# KiCad board [DFR1142]Lite Carrier for LattePanda Mu(V2).kicad_pcb
title: Lite Carrier for LattePanda Mu; date: 2025-07-25; rev: V2.0.0; company: DFRobot; note: HDJ; note: DFR1142; note: 1.6; note: 4; note: 146x102; note: Top_Layer
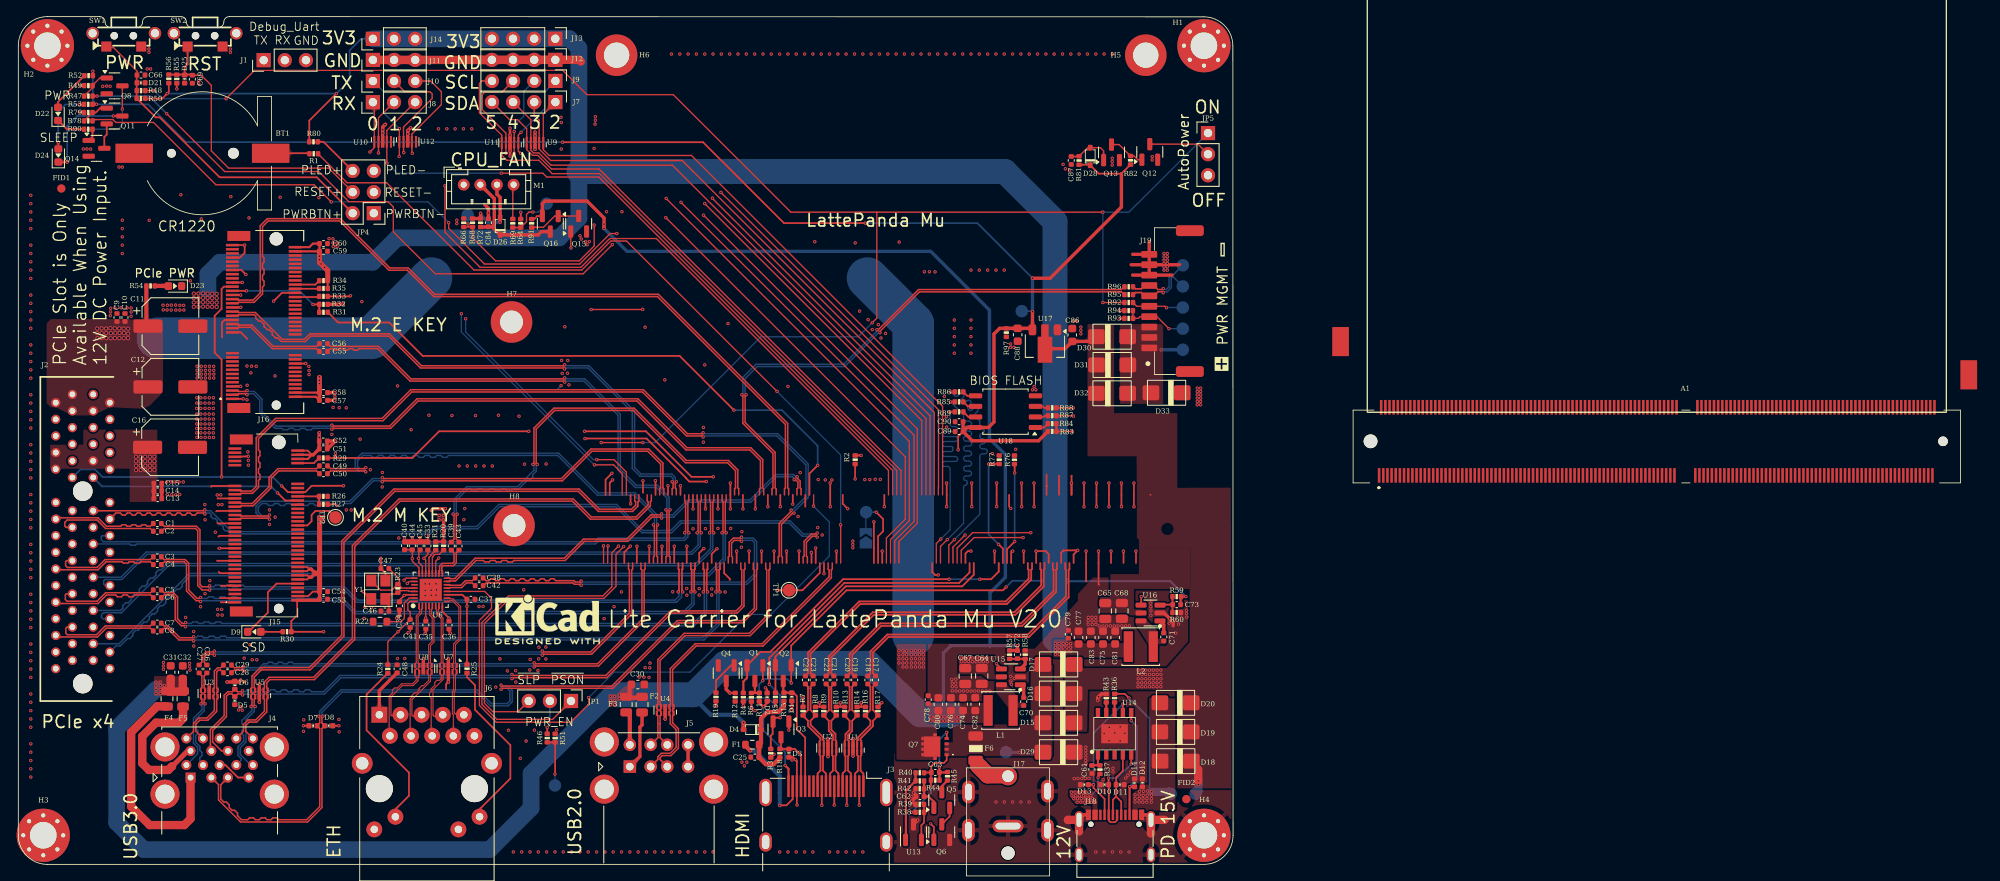
[diagram p0: board, top side]
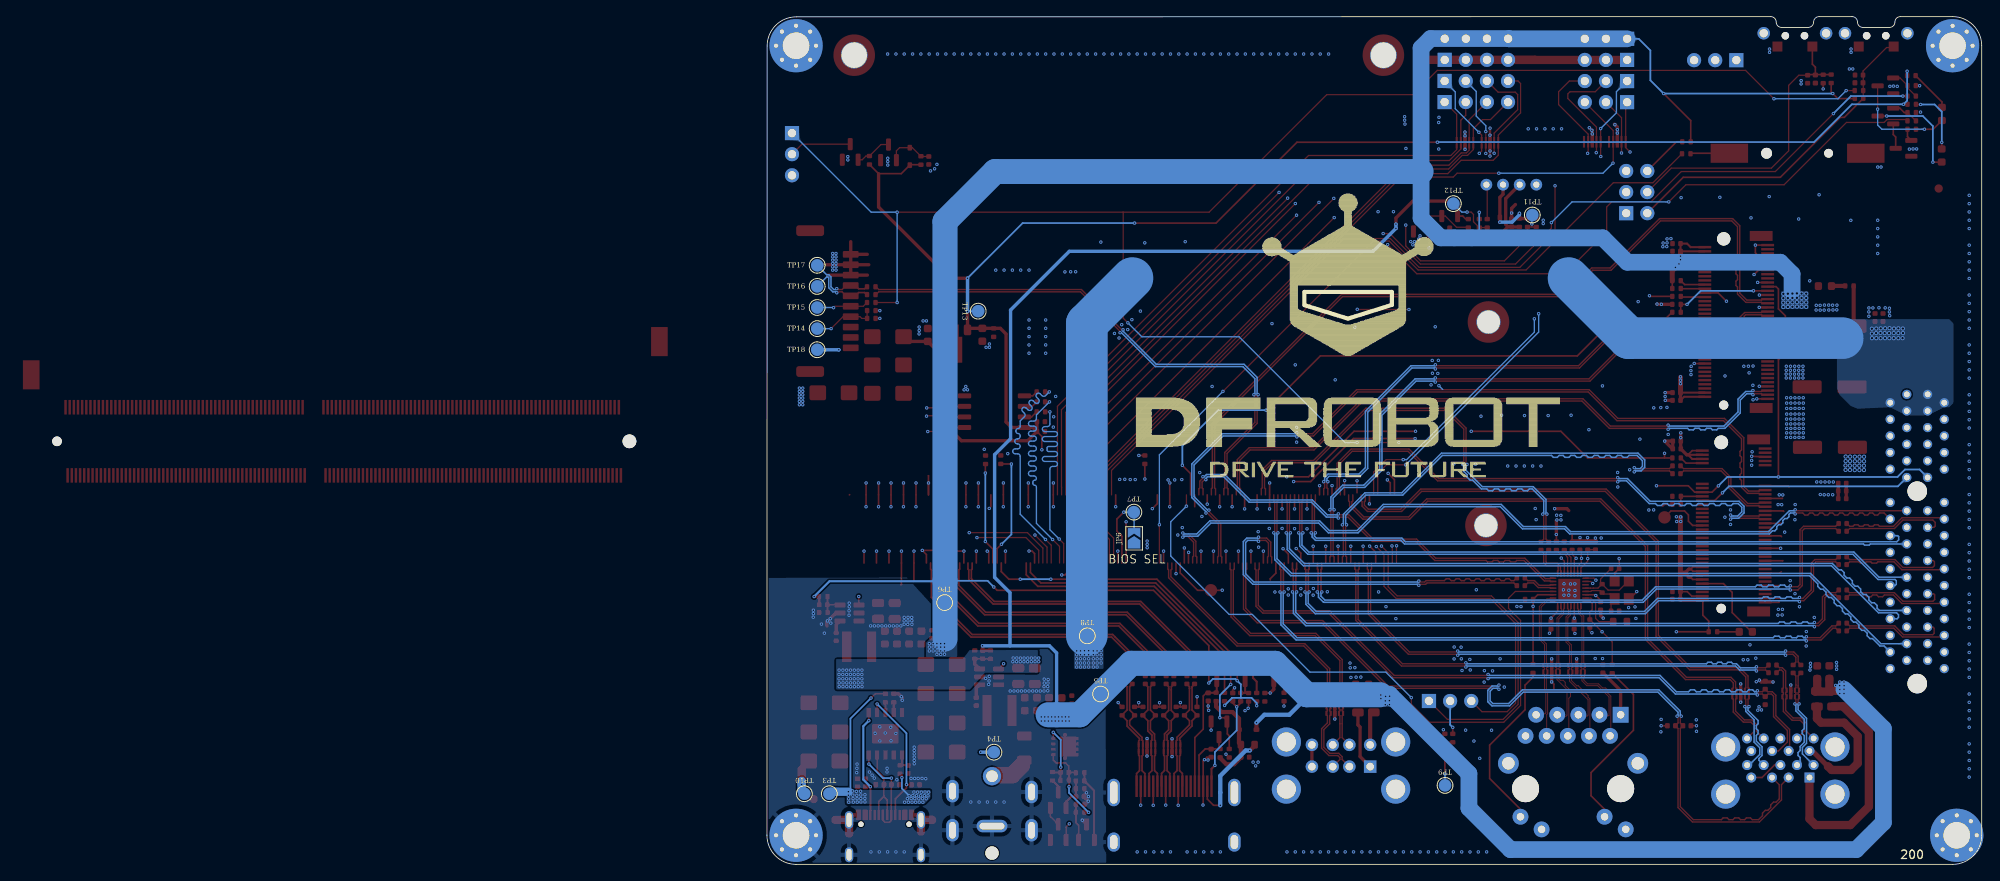
[diagram p1: board, bottom side, seen from below]

Outline 146 x 102 mm; copper layers: Top, In1.GND (plane), In2.PWR (plane), Bottom. Coordinates in mm from the lower left corner of the outline.
Outline path: 15.58,102 arc(15.12,101.81) 14.93,101.35 arc(14.74,100.89) 14.28,100.7 11.08,100.7 arc(10.62,100.89) 10.43,101.35 arc(10.24,101.81) 9.78,102 3.5,102 arc(1.03,100.97) 0,98.5 0,3.5 arc(1.03,1.03) 3.5,0 142.5,0 arc(144.97,1.03) 146,3.5 145.97,98.47 arc(144.95,100.95) 142.47,101.97 25.34,102 ; 15.59,102 19.55,102 arc(20.01,101.81) 20.2,101.35 arc(20.39,100.89) 20.85,100.7 24.05,100.7 arc(24.51,100.89) 24.7,101.35 arc(24.89,101.81) 25.35,102
Stack: Top 0.035mm / dielectric 0.2104mm FR4 er 4.5 / In1.GND 0.0152mm / dielectric 1.065mm FR4 er 4.5 / In2.PWR 0.0152mm / dielectric 0.2104mm FR4 er 4.5 / Bottom 0.035mm

## Placement (name value [footprint] x y rotation side)
A1  LattePanda_Module_Gen1  [DDR4_SODIMM_260P_8.0H_STD]  196.93 58.49 180 top
BT1  Battery_Cell  [Battery_Holder_CR1220_S8411-45R]  22.13 85.56 90 top
C1  220nF/16V  [C_0402_1005Metric]  16.71 41.01 180 top
C2  220nF/16V  [C_0402_1005Metric]  16.71 40.08 180 top
C3  220nF/16V  [C_0402_1005Metric]  16.71 37 180 top
C4  220nF/16V  [C_0402_1005Metric]  16.71 36.07 180 top
C5  220nF/16V  [C_0402_1005Metric]  16.7 33.02 180 top
C6  220nF/16V  [C_0402_1005Metric]  16.7 32.09 180 top
C7  220nF/16V  [C_0402_1005Metric]  16.7 29.02 180 top
C8  220nF/16V  [C_0402_1005Metric]  16.7 28.09 180 top
C9  100nF/16V  [C_0402_1005Metric]  11.86 65.8 90 top
C10  100nF/16V  [C_0402_1005Metric]  12.82 65.8 90 top
C11  100uF/25V  [CP_Elec_6.3x7.7]  18.28 64.76 0 top
C12  100uF/25V  [CP_Elec_6.3x7.7]  18.28 57.45 0 top
C13  100nF/16V  [C_0402_1005Metric]  16.76 44 180 top
C14  10uF/10V  [C_0402_1005Metric]  16.76 44.93 180 top
C15  100nF/16V  [C_0402_1005Metric]  16.76 45.85 0 top
C16  470uF/6.3V  [CP_Elec_6.3x7.7]  18.24 50.18 0 top
C17  100nF/16V  [C_0402_1005Metric]  103.02 22.19 270 top
C18  100nF/16V  [C_0402_1005Metric]  102.1 22.19 270 top
C19  100nF/16V  [C_0402_1005Metric]  100.52 22.19 270 top
C20  100nF/16V  [C_0402_1005Metric]  99.6 22.19 270 top
C21  100nF/16V  [C_0402_1005Metric]  98.02 22.19 270 top
C22  100nF/16V  [C_0402_1005Metric]  97.1 22.19 270 top
C23  100nF/16V  [C_0402_1005Metric]  95.53 22.19 270 top
C24  100nF/16V  [C_0402_1005Metric]  94.61 22.19 270 top
C25  100nF/16V  [C_0402_1005Metric]  88.51 12.9 180 top
C26  100nF/16V  [C_0402_1005Metric]  22.66 23.51 270 top
C27  100nF/16V  [C_0402_1005Metric]  21.74 23.51 270 top
C28  100nF/16V  [C_0402_1005Metric]  25.14 23.06 180 top
C29  100nF/16V  [C_0402_1005Metric]  25.14 23.98 180 top
C30  22uF/10V  [C_0603_1608Metric]  74.46 21.64 180 top
C31  22uF/10V  [C_0603_1608Metric]  18.31 23.12 270 top
C32  22uF/10V  [C_0603_1608Metric]  19.77 23.11 270 top
C33  100nF/16V  [C_0402_1005Metric]  49.23 38.31 270 top
C34  100nF/16V  [C_0402_1005Metric]  45.81 31.1 90 top
C35  100nF/16V  [C_0402_1005Metric]  48.98 28.79 90 top
C36  100nF/16V  [C_0402_1005Metric]  51.77 28.79 90 top
C37  100nF/16V  [C_0402_1005Metric]  54.4 31.89 180 top
C38  100nF/16V  [C_0402_1005Metric]  55.39 34.46 0 top
C39  100nF/16V  [C_0402_1005Metric]  52.05 38.3 90 top
C40  100nF/16V  [C_0402_1005Metric]  46.43 38.34 270 top
C41  100nF/16V  [C_0402_1005Metric]  47.1 28.98 90 top
C42  100nF/16V  [C_0402_1005Metric]  55.39 33.54 0 top
C43  100nF/16V  [C_0402_1005Metric]  52.97 38.3 90 top
C44  10uF/10V  [C_0402_1005Metric]  47.36 38.33 270 top
C45  100nF/16V  [C_0402_1005Metric]  48.3 38.32 270 top
C46  12pF/50V  [C_0402_1005Metric]  44.07 30.48 0 top
C47  12pF/50V  [C_0402_1005Metric]  44.06 35.6 0 top
C48  100nF/16V  [C_0402_1005Metric]  45.53 23.53 90 top
C49  220nF/16V  [C_0402_1005Metric]  36.68 47.95 180 top
C50  220nF/16V  [C_0402_1005Metric]  36.68 47.01 180 top
C51  10uF/10V  [C_0402_1005Metric]  36.65 50 180 top
C52  100nF/16V  [C_0402_1005Metric]  36.65 50.93 180 top
C53  10uF/10V  [C_0402_1005Metric]  36.69 31.9 180 top
C54  100nF/16V  [C_0402_1005Metric]  36.69 32.82 180 top
C55  220nF/16V  [C_0402_1005Metric]  36.68 61.72 180 top
C56  220nF/16V  [C_0402_1005Metric]  36.68 62.65 180 top
C57  10uF/10V  [C_0402_1005Metric]  36.68 55.83 180 top
C58  100nF/16V  [C_0402_1005Metric]  36.68 56.76 180 top
C59  10uF/10V  [C_0402_1005Metric]  36.68 73.77 180 top
C60  100nF/16V  [C_0402_1005Metric]  36.68 74.69 180 top
C61  1uF/16V  [C_0402_1005Metric]  129.03 11.42 270 top
C62  1uF/16V  [C_0402_1005Metric]  108.37 8.16 180 top
C63  1uF/16V  [C_0402_1005Metric]  110.21 11.06 180 top
C64  22uF/25V  [C_0805_2012Metric]  115.79 22.67 90 top
C65  22uF/25V  [C_0805_2012Metric]  130.64 30.49 90 top
C66  1uF/16V  [C_0402_1005Metric]  14.75 94.97 0 top
C67  22uF/25V  [C_0805_2012Metric]  113.81 22.65 90 top
C68  22uF/25V  [C_0805_2012Metric]  132.64 30.5 90 top
C69  1uF/16V  [C_0402_1005Metric]  20.92 94.47 270 top
C70  100nF/16V  [C_0402_1005Metric]  120.84 19.59 90 top
C71  100nF/16V  [C_0402_1005Metric]  137.67 27.37 90 top
C72  12pF/50V  [C_0402_1005Metric]  120.08 25.23 270 top
C73  12pF/50V  [C_0402_1005Metric]  139.23 31.25 180 top
C74  22uF/10V  [C_0603_1608Metric]  113.55 19.28 270 top
C75  22uF/10V  [C_0603_1608Metric]  130.37 27.29 270 top
C76  22uF/10V  [C_0603_1608Metric]  112.09 19.27 270 top
C77  22uF/10V  [C_0603_1608Metric]  127.43 27.29 270 top
C78  100nF/16V  [C_0402_1005Metric]  109.36 19.82 90 top
C79  100nF/16V  [C_0402_1005Metric]  126.2 27.69 90 top
C80  22uF/10V  [C_0603_1608Metric]  110.58 19.26 270 top
C81  22uF/10V  [C_0603_1608Metric]  131.83 27.29 270 top
C82  22uF/10V  [C_0603_1608Metric]  115.01 19.28 270 top
C83  22uF/10V  [C_0603_1608Metric]  128.91 27.29 270 top
C84  100nF/16V  [C_0402_1005Metric]  56.5 77.2 90 top
C86  2.2uF/50V  [C_0603]  126.67 63.7 90 top
C87  10uF/10V  [C_0402_1005Metric]  126.55 84.69 270 top
C88  2.2uF/50V  [C_0603]  120.11 63.72 270 top
C89  10uF/10V  [C_0402]  113.07 52.08 0 top
C90  100nF/50V  [C_0402]  113.07 53.26 0 top
D1  0402ESDA-05N  [D_0402_1005Metric]  92.96 20.15 90 top
D2  0402ESDA-05N  [D_0402_1005Metric]  90.01 20.14 270 top
D3  0402ESDA-05N  [D_0402_1005Metric]  92.61 13.38 90 top
D4  1N5819WS  [D_SOD-323]  88.21 16.21 180 top
D5  0402ESDA-05N  [D_0402_1005Metric]  26.02 19.7 90 top
D6  0402ESDA-05N  [D_0402_1005Metric]  26.02 21.56 270 top
D7  0402ESDA-05N  [D_0402_1005Metric]  35.43 16.68 0 top
D8  0402ESDA-05N  [D_0402_1005Metric]  37.29 16.68 180 top
D9  LED_G  [LED_0603_1608Metric]  28.35 27.98 0 top
D10  0402ESDA-05N  [D_0402_1005Metric]  130.56 9.59 0 top
D11  0402ESDA-05N  [D_0402_1005Metric]  132.43 9.59 180 top
D12  PESD24VS1UL-N  [D_0402_1005Metric]  135.1 9.82 90 top
D13  0402ESDA-05N  [D_0402_1005Metric]  128.13 9.59 0 top
D14  0402ESDA-05N  [D_0402_1005Metric]  134.16 9.81 270 top
D15  SS54  [D_SMA]  125.02 17.03 180 top
D16  SS54  [D_SMA]  125.02 20.55 180 top
D17  SS54  [D_SMA]  125.03 24.06 180 top
D18  SS54  [D_SMA]  139.11 12.42 180 top
D19  SS54  [D_SMA]  139.09 15.94 180 top
D20  SS54  [D_SMA]  139.08 19.44 180 top
D21  0402ESDA-05N  [D_0402_1005Metric]  14.75 94.04 180 top
D22  LED_R  [LED_0603_1608Metric]  4.78 90.29 90 top
D23  LED_G  [LED_0603_1608Metric]  18.84 69.58 180 top
D24  LED_G  [LED_0603_1608Metric]  4.81 85.29 90 top
D25  0402ESDA-05N  [D_0402_1005Metric]  19.99 94.49 90 top
D26  1N5819WS  [D_SOD-323]  57.91 76.79 90 top
D28  1N5819WS  [D_SOD-323]  128.83 85.18 90 top
D29  SMAJ26CA  [D_SMA]  125.03 13.5 180 top
D30  SS54  [D_SMA]  131.46 63.49 0 top
D31  SS54  [D_SMA]  131.47 60.09 0 top
D32  SS54  [D_SMA]  131.46 56.68 0 top
D33  SMAJ26CA  [D_SMA]  138.01 56.74 180 top
F1  6V/50mA  [R_0603_1608Metric]  88.21 14.4 180 top
F2  6V/1A  [Fuse_0805_2012Metric]  74.97 19.22 270 top
F3  6V/1A  [Fuse_0805_2012Metric]  73.06 19.23 270 top
F4  6V/2A  [Fuse_0805_2012Metric]  17.87 19.93 270 top
F5  6V/2A  [Fuse_0805_2012Metric]  19.8 19.92 270 top
F6  BSMD1206C-2100T  [R_1206]  115.06 13.98 90 top
FID1  Fiducial  [Fiducial_1mm_Mask2mm]  5.17 81.32 0 top
FID2  Fiducial  [Fiducial_1mm_Mask2mm]  140.39 7.85 0 top
H1  MountingHole_Pad  [MountingHole_3.2mm_M3_Pad_Via]  142.5 98.5 0 top
H2  MountingHole_Pad  [MountingHole_3.2mm_M3_Pad_Via]  3.5 98.5 0 top
H3  MountingHole_Pad  [MountingHole_3.2mm_M3_Pad_Via]  3 3.5 0 top
H4  MountingHole_Pad  [MountingHole_3.2mm_M3_Pad_Via]  142.5 3.5 0 top
H5  MountingHole_Pad  [MountingHole_3mm_M2_Pad_TopOnly]  135.51 97.36 180 top
H6  MountingHole_Pad  [MountingHole_3mm_M2_Pad_TopOnly]  71.91 97.36 180 top
H7  MountingHole_M2.0  [MountingHole_2.7mm_M2_Pad_TopOnly]  59.28 65.26 90 top
H8  MountingHole_M2.0  [MountingHole_2.7mm_M2_Pad_TopOnly]  59.58 40.78 90 top
J1  Conn_01x03_Pin  [PinHeader_1x03_P2.54mm_Vertical]  29.49 96.76 90 top
J2  Bus_PCI_Express_x4  [PCIe_x4_Gen3Slot_Connectors]  9 56.55 270 top
J3  HDMI_A  [HDMI_A_Molex_208658-1001_Horizontal]  97.07 6.12 270 top
J4  USB3_A_Stacked  [USB3_A_Molex_48406-0001_Horizontal_Stacked]  20.7 10.45 0 top
J5  USB_A_Stacked  [USB_A_CUI_UJ2-ADH-TH_Horizontal_Stacked]  73.5 11.76 90 top
J6  RJ45_RB1-125B8G1A  [RJ45_UDE_RB1-125B8G1A]  43.4 18 0 top
J7  Conn_01x04_Pin  [PinHeader_1x04_P2.54mm_Vertical]  64.55 91.72 270 top
J8  Conn_01x03_Pin  [PinHeader_1x03_P2.54mm_Vertical]  42.62 91.71 90 top
J9  Conn_01x04_Pin  [PinHeader_1x04_P2.54mm_Vertical]  64.55 94.26 270 top
J10  Conn_01x03_Pin  [PinHeader_1x03_P2.54mm_Vertical]  42.62 94.25 90 top
J11  Conn_01x03_Pin  [PinHeader_1x03_P2.54mm_Vertical]  42.62 96.79 90 top
J12  Conn_01x04_Pin  [PinHeader_1x04_P2.54mm_Vertical]  64.54 96.8 270 top
J13  Conn_01x04_Pin  [PinHeader_1x04_P2.54mm_Vertical]  64.54 99.34 270 top
J14  Conn_01x03_Pin  [PinHeader_1x03_P2.54mm_Vertical]  42.62 99.33 90 top
J15  Bus_M.2_Socket_M  [PCIe_M.2_Connectors_P=0.5mm_H=4.2mm_KeyM]  29.61 40.78 90 top
J16  Bus_M.2_Socket_E  [PCIe_M.2_Connectors_P=0.5mm_H=4.2mm_KeyE]  25.73 56.01 90 top
J17  Barrel_Jack_Switch  [DC_Jack_DC007B_30V_10A]  118.95 -1.39 180 top
J18  USB_C_Receptacle_USB2.0  [USB_C_Receptacle_G-Switch_GT-USB-7010ASV]  131.81 2.23 0 top
J19  WAFER-MX1.25-10PCB  [MX1.25-10P-SMD]  138.37 67.77 90 top
JP1  Jumper_3_Bridged12  [PinHeader_1x03_P2.54mm_Vertical]  66.43 19.66 270 top
JP4  ~  [PinHeader_2x03_P2.54mm_Vertical]  42.73 78.35 180 top
JP5  Jumper_3_Bridged12  [PinHeader_1x03_P2.54mm_Vertical]  142.99 87.99 0 top
JP6  SolderJumper_2_Open  [SolderJumper-2_P1.3mm_Open_TrianglePad1.0x1.5mm]  101.87 39.23 90 bottom
L1  2.2uH/4.3A  [L_Sunlord_SWPA4020S]  118.06 18.52 180 top
L2  2.2uH/4.3A  [L_Sunlord_SWPA4020S]  134.91 26.2 180 top
M1  Fan_4pin  [JST_PH_B4B-PH-K_1x04_P2.00mm_Vertical]  53.53 81.78 0 top
Q1  2N7002  [SOT-23]  88.53 23.01 270 top
Q2  2SK3018  [SOT-23]  91.94 23.01 270 top
Q3  2SK3018  [SOT-23]  91.66 16.25 270 top
Q4  2SK3018  [SOT-23]  85.08 23 270 top
Q5  2N7002  [SOT-23]  110.99 7.74 90 top
Q6  2N7002  [SOT-23]  110.99 3.88 90 top
Q7  NCE30P28Q  [MOSFET_PDFN8_3.3x3.3]  110.18 14.17 90 top
Q8  2N7002  [SOT-23]  11.57 93.67 0 top
Q11  2N7002  [SOT-23]  11.57 90.04 0 top
Q12  2N7002  [SOT-23]  135.99 85.72 90 top
Q13  2N7002  [SOT-23]  131.39 85.67 90 top
Q14  2N7002  [SOT-23]  9.4 86.15 0 top
Q15  2N7002  [SOT-23]  67.35 77.08 90 top
Q16  AO3407  [SOT-23]  63.94 77.07 270 top
R1  1K/1%  [R_0402]  35.51 85.5 180 top
R2  10K/1%  [R_0402]  100.58 48.69 90 top
R3  2.2K/1%  [R_0402]  90.43 13.37 90 top
R4  1M/1%  [R_0402]  87.14 20.12 90 top
R5  2.2K/1%  [R_0402]  91 20.14 90 top
R6  21.5K/1%  [R_0402]  88.11 20.11 270 top
R7  470R/1%  [R_0402]  94.31 18.44 90 top
R8  470R/1%  [R_0402]  95.81 18.44 90 top
R9  470R/1%  [R_0402]  96.81 18.44 90 top
R10  470R/1%  [R_0402]  98.31 18.44 90 top
R11  1K/1%  [R_0402]  89.06 20.13 270 top
R12  0R/1%  [R_0402_1005Metric]  86.16 20.11 270 top
R13  470R/1%  [R_0402]  99.31 18.44 90 top
R14  470R/1%  [R_0402]  100.81 18.44 90 top
R15  2.2K/1%  [R_0402]  92.01 20.15 90 top
R16  470R/1%  [R_0402]  101.81 18.44 90 top
R17  470R/1%  [R_0402]  103.31 18.44 90 top
R18  2.2K/1%  [R_0402]  91.53 13.38 90 top
R19  2.2K/1%  [R_0402]  83.85 20.14 90 top
R20  10K/1%  [R_0402]  51.12 38.33 270 top
R21  10K/1%  [R_0402]  50.17 38.32 270 top
R22  2.49K/1%  [R_0603_1608Metric]  43.47 29.2 0 top
R23  1M/1%  [R_0402]  45.62 33.21 90 top
R24  470R/1%  [R_0402]  44.41 23.51 90 top
R25  470R/1%  [R_0402]  53.93 23.55 90 top
R26  0R/1%  [R_0402_1005Metric]  36.67 44.28 180 top
R27  0R/1%  [R_0402]  36.67 43.32 0 top
R29  0R/1%  [R_0402]  36.67 48.9 0 top
R30  2.2K/1%  [R_0402]  32.3 27.99 0 top
R31  0R/1%  [R_0402_1005Metric]  36.68 66.43 180 top
R32  0R/1%  [R_0402]  36.68 67.38 0 top
R33  0R/1%  [R_0402]  36.68 68.34 0 top
R34  10K/1%  [R_0402]  36.68 70.23 0 top
R35  10K/1%  [R_0402]  36.68 69.29 180 top
R36  10K/1%  [R_0402]  131.76 20.01 270 top
R37  1K/1%  [R_0402]  130 11.4 90 top
R38  10K/1%  [R_0402]  108.35 6.27 180 top
R39  2.2K/1%  [R_0402]  108.35 7.22 0 top
R40  10K/1%  [R_0402]  108.35 11.02 0 top
R41  21.5K/1%  [R_0402]  108.35 10.04 180 top
R42  21.5K/1%  [R_0402]  108.35 9.1 0 top
R43  56K/1%  [R_0402]  130.76 20 90 top
R44  100K/1%  [R_0402]  110.21 10.13 180 top
R45  100K/1%  [R_0402]  111.68 10.6 90 top
R46  100R/1%  [R_0402]  63.57 15.2 270 top
R47  1K/1%  [R_0402]  8.42 92.44 180 top
R48  100R/1%  [R_0402]  14.75 93.1 0 top
R49  10K/1%  [R_0402]  8.42 93.7 0 top
R50  10K/1%  [R_0402_1005Metric]  14.74 92.16 0 top
R51  100K/1%  [R_0402]  64.52 15.2 270 top
R52  2.2K/1%  [R_0402]  8.45 94.9 0 top
R53  2.2K/1%  [R_0402]  8.41 91.45 0 top
R54  21.5K/1%  [R_0402]  15.9 69.6 0 top
R55  100R/1%  [R_0402]  19.05 94.5 270 top
R56  10K/1%  [R_0402_1005Metric]  18.09 94.52 270 top
R57  75K/1%  [R_0402]  119.14 25.23 90 top
R58  10K/1%  [R_0402]  121.02 25.23 270 top
R59  21.5K/1%  [R_0402]  139.23 32.22 0 top
R60  4.7K/1%  [R_0402]  139.22 30.3 180 top
R64  4.7K/1%  [R_0402_1005Metric]  60.38 77.13 270 top
R66  21.5K/1%  [R_0402_1005Metric]  53.54 77.2 90 top
R68  21.5K/1%  [R_0402]  54.59 77.2 270 top
R69  100R/1%  [R_0402]  59.43 77.13 90 top
R72  4.7K/1%  [R_0402]  55.56 77.2 90 top
R76  100K/1%  [R_0402]  119.73 48.68 90 top
R77  100K/1%  [R_0402]  117.9 48.69 90 top
R78  1K/1%  [R_0402]  8.41 89.46 180 top
R79  10K/1%  [R_0402]  8.41 90.46 0 top
R80  200R/1%  [R_0402]  35.48 86.94 0 top
R81  1M/1%  [R_0402]  127.49 84.69 90 top
R82  100K/1%  [R_0402]  133.68 84.72 90 top
R83  10K/1%  [R_0402]  124.26 52.09 180 top
R84  0R/1%  [R_0402]  124.26 53.03 0 top
R85  0R/1%  [R_0402]  113.07 55.65 180 top
R86  0R/1%  [R_0402]  113.07 56.85 180 top
R87  0R/1%  [R_0402]  124.26 53.98 0 top
R88  0R/1%  [R_0402]  124.26 54.93 0 top
R89  0R/1%  [R_0402]  113.07 54.45 180 top
R90  1K/1%  [R_0402]  8.41 88.45 0 top
R91  10K/1%  [R_0402]  61.7 77.13 90 top
R92  100R/1%  [R_0402]  133.46 67.6 0 top
R93  100R/1%  [R_0402]  133.45 65.69 180 top
R94  100R/1%  [R_0402]  133.45 66.63 180 top
R95  0R/1%  [R_0402]  133.46 68.55 0 top
R96  0R/1%  [R_0402]  133.46 69.49 0 top
R97  470R/1%  [R_0402]  118.75 63.98 270 top
REF**  -  [KiCad-Logo2_5mm_SilkScreen]  63.6 29.48 0 top
SW1  SW_Push  [SW_PUSH_SIDE_TS-1012EV_7.7x3.95x3.5mm]  12.68 99.7 0 top
SW2  SW_Push  [SW_PUSH_SIDE_TS-1012EV_7.7x3.95x3.5mm]  22.45 99.7 0 top
TP1  TestPoint  [TestPoint_Pad_D1.5mm]  92.64 32.98 90 top
TP2  TestPoint  [TestPoint_Pad_D1.5mm]  38.12 41.75 90 top
TP3  TestPoint  [TestPoint_Pad_D1.5mm]  138.5 8.5 180 bottom
TP4  TestPoint  [TestPoint_Pad_D1.5mm]  118.72 13.5 180 bottom
TP5  TestPoint  [TestPoint_Pad_D1.5mm]  105.9 20.5 180 bottom
TP6  TestPoint  [TestPoint_Pad_D1.5mm]  124.64 31.5 180 bottom
TP7  TestPoint  [TestPoint_Pad_D1.5mm]  101.9 42.38 180 bottom
TP8  TestPoint  [TestPoint_Pad_D1.5mm]  107.5 27.5 180 bottom
TP9  TestPoint  [TestPoint_Pad_D1.5mm]  64.5 9.5 180 bottom
TP10  TestPoint  [TestPoint_Pad_D1.5mm]  141.5 8.5 180 bottom
TP11  TestPoint  [TestPoint_Pad_D1.5mm]  54.01 78.13 180 bottom
TP12  TestPoint  [TestPoint_Pad_D1.5mm]  63.5 79.5 180 bottom
TP13  TestPoint  [TestPoint_Pad_D1.5mm]  120.61 66.56 90 bottom
TP14  TestPoint  [TestPoint_Pad_D1.5mm]  139.96 64.46 0 bottom
TP15  TestPoint  [TestPoint_Pad_D1.5mm]  139.96 67 0 bottom
TP16  TestPoint  [TestPoint_Pad_D1.5mm]  139.96 69.54 0 bottom
TP17  TestPoint  [TestPoint_Pad_D1.5mm]  139.96 72.08 0 bottom
TP18  TestPoint  [TestPoint_Pad_D1.5mm]  139.96 61.92 0 bottom
U1  TPAZ1023-04F  [Diodes_UDFN-10_1.0x2.5mm_P0.5mm]  100.32 14 270 top
U2  TPAZ1023-04F  [Diodes_UDFN-10_1.0x2.5mm_P0.5mm]  97.31 14 270 top
U3  ULC0524P  [Diodes_UDFN-10_1.0x2.5mm_P0.5mm]  22.95 20.56 270 top
U4  ULC0524P  [Diodes_UDFN-10_1.0x2.5mm_P0.5mm]  77.75 18.57 270 top
U5  ULC0524P  [Diodes_UDFN-10_1.0x2.5mm_P0.5mm]  28.97 20.56 270 top
U6  RTL8111H-CG-RH  [QFN-32-1EP_4x4mm_P0.4mm_EP2.65x2.65mm]  49.57 33.04 90 top
U7  ULC0524P  [Diodes_UDFN-10_1.0x2.5mm_P0.5mm]  51.69 23.55 270 top
U8  ULC0524P  [Diodes_UDFN-10_1.0x2.5mm_P0.5mm]  48.69 23.54 270 top
U9  ULC0524P  [Diodes_UDFN-10_1.0x2.5mm_P0.5mm]  62.1 86.82 270 top
U10  ULC0524P  [Diodes_UDFN-10_1.0x2.5mm_P0.5mm]  43.79 86.94 90 top
U11  ULC0524P  [Diodes_UDFN-10_1.0x2.5mm_P0.5mm]  59.1 86.82 270 top
U12  ULC0524P  [Diodes_UDFN-10_1.0x2.5mm_P0.5mm]  46.8 86.94 90 top
U13  TL431DBZ  [SOT-23]  107.59 3.87 90 top
U14  CH224K  [ESSOP-10-1EP_3.9x5mm_P1.0mm_EP3.2x2.3]  131.76 15.72 90 top
U15  SY8253ADC  [TSOT-23-6]  119.3 22.56 180 top
U16  SY8253ADC  [TSOT-23-6]  136.08 30.25 180 top
U17  HM7533HBPR  [SOT-89-3]  123.39 62.36 270 top
U18  W25Q128JVS  [SOIC-8_5.23x5.23mm_P1.27mm]  118.65 54.47 180 top
Y1  25MHz  [Crystal_SMD_3225-4Pin_3.2x2.5mm]  43.27 33.04 270 top

## Library data of the parts
A1 = -: Description: Intel Processor N100 up to 3.4 GHz quad core, 8GB RAM, 64GB eMMC, SoM computer; Buy_Link: https://item.szlcsc.com/5812308.html; DF_Comment: 连接器_DDR4-SODIMM-260P-8H_TE_2309411-1; ki_fp_filters: *SODIMM*
BT1 = -: Buy_Link: https://item.szlcsc.com/1049689.html; DF_Comment: CR1220电池座贴片塑料
C1-C8 C49 C50 C55 C56 = -: Buy_Link: https://item.szlcsc.com/137804.html; DF_Comment: 贴片电容0402-220nF-16V-X7R; SCH_Show_Footprint: C0402; ki_fp_filters: C_*
C9 C10 C13 C15 C17-C29 C33-C43 C45 C48 C52 C54 C58 C60 C70 C71 C78 C79 C84 = -: DF_Comment: 贴片电容0402-100nF-16V-X7R(0402); SCH_Show_Footprint: C0402; ki_fp_filters: C_*
C11 C12 = -: DF_Comment: 贴片铝电解6.3*7.7-100uF-25V（品牌：先科）; SCH_Show_Footprint: C5x5.8; ki_fp_filters: CP_*
C14 C44 C51 C53 C57 C59 = -: DF_Comment: 贴片电容0402-10UF-10V-X5R_GRM155R61A106ME44D; SCH_Show_Footprint: C0402; ki_fp_filters: C_*
C16 = -: DF_Comment: 贴片铝电解电容6.3*7.7-470UF-6.3V（品牌：先科）; SCH_Show_Footprint: C5x5.8; ki_fp_filters: CP_*
C30-C32 C74-C77 C80-C83 = -: DF_Comment: 贴片电容0603-22uF-10V-X5R(0603); SCH_Show_Footprint: C603; ki_fp_filters: C_*
C46 C47 C72 C73 = -: DF_Comment: 贴片电容0402-12pF-50V-NPO(0402); SCH_Show_Footprint: C0402; ki_fp_filters: C_*
C61-C63 C66 C69 = -: DF_Comment: 贴片电容0402-1uF-16V-X5R(0402); SCH_Show_Footprint: C0402; ki_fp_filters: C_*
C64 C65 C67 C68 = -: DF_Comment: 贴片电容0805-22uF-25V-X5R; SCH_Show_Footprint: C603; ki_fp_filters: C_*
C86 = -: DF_Comment: 贴片电容0603-2.2uF-50V-X5R; ki_fp_filters: C_*
C87 C89 = -: DF_Comment: 贴片电容0402-10UF-10V-X5R_GRM155R61A106ME44D; ki_fp_filters: C_*
C88 = -: DF_Comment: 贴片电容0603-2.2uF-50V-X5R; SCH_Show_Footprint: C0603; ki_fp_filters: C_*
C90 = -: DF_Comment: 贴片电容0402-100nF-50V-X7R_CC0402KRX7R9BB104; ki_fp_filters: C_*
D1-D3 D5-D8 D10 D11 D13 D14 D21 D25 = -: Datasheet: https://www.onsemi.com/pub/Collateral/ESD9B-D.PDF; DF_Comment: 5.0V双向静电保护管_0402ESDA-05N; SCH_Show_Footprint: D0402; ki_fp_filters: D*SOD?923*
D4 D26 = -: Datasheet: https://datasheet.lcsc.com/lcsc/2204281430_Guangdong-Hottech-1N5819WS_C191023.pdf; DF_Comment: 二极管-1N5819W-SOD323备选型号:B5819WS、JSPD140A; SCH_Show_Footprint: SOD-323; ki_fp_filters: D*SOD?323*
D9 = -: DF_Comment: 贴片LED蓝色0603(0603); SCH_Show_Footprint: LED0603; ki_fp_filters: LED* LED_SMD:* LED_THT:*
D12 = -: Buy_Link: https://item.szlcsc.com/393990.html; DF_Comment: 单向静电保护二极管_PESD24VS1UL-N_DFN1006; SCH_Show_Footprint: D0402; ki_fp_filters: TO-???* *_Diode_* *SingleDiode* D_*
D15-D20 D30-D32 = -: DF_Comment: 二极管-SS54-SMA(SMA); SCH_Show_Footprint: SMA; ki_fp_filters: TO-???* *_Diode_* *SingleDiode* D_*
D22 D23 = -: DF_Comment: 贴片LED红色0603(0603); SCH_Show_Footprint: LED0603; ki_fp_filters: LED* LED_SMD:* LED_THT:*
D24 = -: DF_Comment: 贴片LED绿色0603(1.8~2.4V,567~576nm)黄绿普亮; SCH_Show_Footprint: LED0603; ki_fp_filters: LED* LED_SMD:* LED_THT:*
D28 = -: Datasheet: https://datasheet.lcsc.com/lcsc/2204281430_Guangdong-Hottech-1N5819WS_C191023.pdf; DF_Comment: 二极管-1N5819W-SOD323备选型号:B5819WS、JSPD140A; ki_fp_filters: D*SOD?323*
D29 D33 = -: Datasheet: https://www.tme.eu/Document/dbc72d81c249fe51b6ab42300e8e06d0/SMAJ_ser.pdf; Description: SMA Bidirectional TVS Diode, 24V, 400W, Alternate KiCAD Library; DF_Comment: 双向TVS管-SMAJ26CA-SMA; ki_fp_filters: TO-???* *_Diode_* *SingleDiode* D_*
F1 = -: Buy_Link: https://item.szlcsc.com/8530937.html; DF_Comment: 0603贴片自恢复保险丝0.05A-6V_0603L005-6AR; SCH_Show_Footprint: R0805; ki_fp_filters: *Fuse*
F2 F3 = -: Buy_Link: https://item.szlcsc.com/947770.html; DF_Comment: 0805贴片自恢复保险丝1A-6V_BSMD0805-100-6V; SCH_Show_Footprint: R0603; ki_fp_filters: *Fuse*
F4 F5 = -: Buy_Link: https://item.szlcsc.com/947787.html; DF_Comment: 0805贴片自恢复保险丝2A-6V_BSMD0805L-200; SCH_Show_Footprint: R0805; ki_fp_filters: *Fuse*
F6 = -: Description: 32V/10A; DF_Comment: 一次性保险丝_BSMD1206C-2100T_32V-10A; Buy_Link: https://item.szlcsc.com/43118985.html; ki_fp_filters: *Fuse*
FID1 FID2 = -: ki_fp_filters: Fiducial*
H1-H4 = -: ki_fp_filters: MountingHole*Pad*
H5 H6 = -: DF_Comment: 贴片螺母柱M2XC4X5.5+C3X1.5（无铅铜）; Buy_Link: https://item.taobao.com/item.htm?abbucket=8&id=655855111684&ns=1&skuId=4725777108077&spm=a21n57.1.0.0.5263523chYMn0X; ki_fp_filters: MountingHole*Pad*
H7 H8 = -: Buy_Link: https://item.taobao.com/item.htm?abbucket=8&id=655855111684&ns=1&skuId=4725777108077&spm=a21n57.1.0.0.5263523chYMn0X; DF_Comment: 贴片螺母柱M2XC4X2.5+C2.7X1.5（无铅铜）; ki_fp_filters: MountingHole*Pad*